# Altium PCB RTM_SFP.PcbDoc (part 5 of 7)
Units mm, origin at the board's own origin, x right, y up, seen from the top; angles counter-clockwise.
Board outline 182.5 x 148.5 mm, 4 copper layers (Top Layer, MidPlane_1, MidPlane_2, Bottom Layer), stack 0.883 mm thick; 377 components, 317 nets, 1528 pads, 1541 vias.
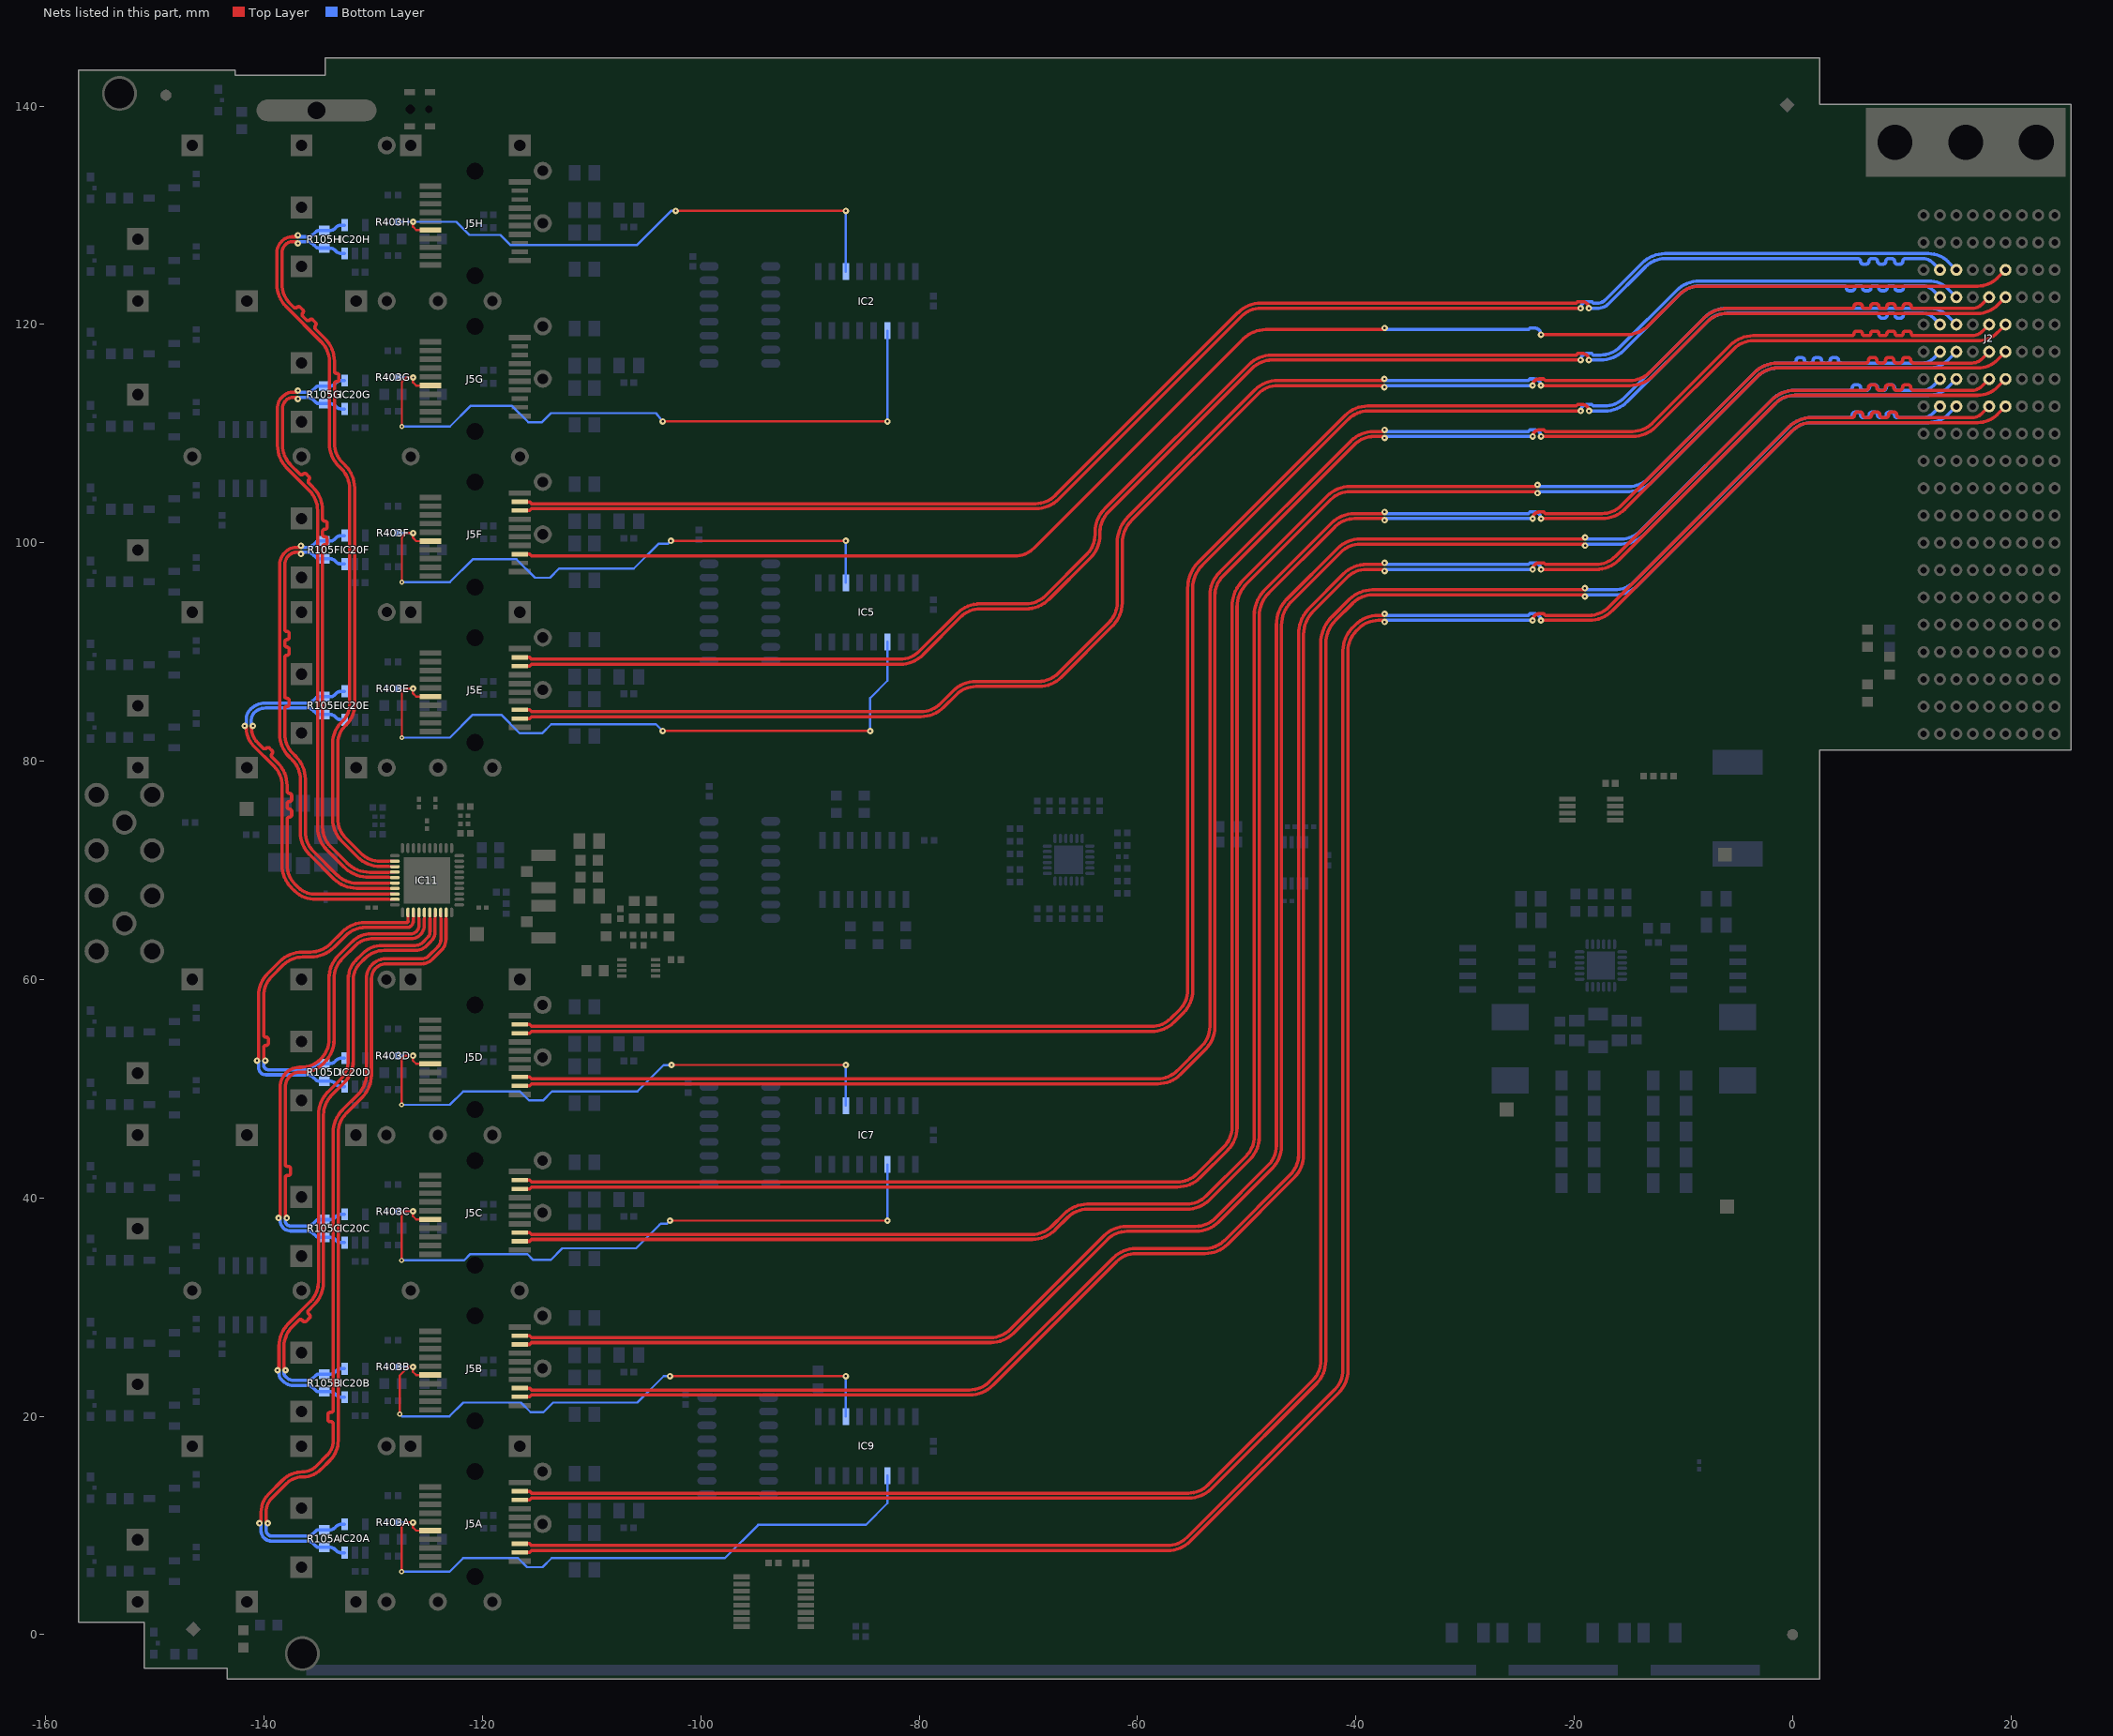
[diagram p7: the nets of this part, all layers, seen from the top]

## Via types
v1: diameter 0.6, hole 0.2, Top Layer to Bottom Layer, tented both sides, 1425 vias
v2: diameter 0.7, hole 0.3, Top Layer to Bottom Layer, tented both sides, 59 vias
v3: diameter 0.45, hole 0.2, Top Layer to Bottom Layer, tented both sides, 47 vias
v4: diameter 0.6, hole 0.2, Top Layer to Bottom Layer, 7 vias
v5: diameter 0.6, hole 0.3, Top Layer to Bottom Layer, tented both sides, 2 vias
v6: diameter 0.45, hole 0.2, Top Layer to Bottom Layer, 1 vias

## Nets (pads, with @x,y where several pads share a name; then routed paths per layer and width w, separated by ;. In a path a pad name is that pad's centre, name@x,y a point inside that pad or via, vN(x,y) a via of type N, cw(c..) or ccw(c..) an arc to the next point about the centre after c; other vN are vias at no path point) (continued)
SFP3RX_P: J2.C8 J5F.13 | length 147.1
  Top Layer w0.305: J5F.13@-116.575,98.956 -115.671,98.956 -115.499,98.785 -71.273,98.785 ccw(c-71.273,101.325) -69.477,99.529 -50.35,118.657 cw(c-48.248,116.555) -48.248,119.527 -37.518,119.527 v1(-37.37,119.675) ; v1(-23.048,119.07) -15.27,119.07 ccw(c-15.27,122.065) -13.153,119.947 -10.331,122.769 cw(c-8.535,120.973) -8.535,123.513 16.961,123.513 ccw(c16.961,126.053) 18.757,124.257 J2.C8@19.5,125
  Bottom Layer w0.305: v1(-37.37,119.675) -37.222,119.527 -24.206,119.527 -24.059,119.675 -23.653,119.675 cw(c-23.653,119.07) v1(-23.048,119.07)
SFP3TX_N: J2.F8 J5F.19 | length 141.7
  Top Layer w0.305: J5F.19@-116.575,103.756 -115.671,103.756 -115.499,103.585 -69.347,103.585 ccw(c-69.347,106.125) -67.551,104.329 -50.801,121.079 cw(c-48.705,118.982) -48.705,121.947 ; -48.881,121.947 -19.814,121.947 -19.666,122.095 -19.261,122.095 cw(c-19.261,121.49) v1(-18.656,121.49)
  Bottom Layer w0.305: v1@-18.508,121.49 -17.77,121.49 ccw(c-17.77,122.673) -16.934,121.836 ; -16.934,121.836 -13.484,125.286 cw(c-11.688,123.49) -11.688,126.03 5.97,126.03 cw(c5.97,125.775) 6.225,125.775 ccw(c6.465,125.775) 6.465,125.535 6.74,125.535 ccw(c6.74,125.775) 6.98,125.775 cw(c7.235,125.775) 7.23,126.03 7.525,126.03 cw(c7.525,125.775) 7.78,125.775 ccw(c8.02,125.775) 8.02,125.535 8.295,125.535 ccw(c8.295,125.775) 8.535,125.775 cw(c8.79,125.775) 8.79,126.03 9.08,126.03 cw(c9.08,125.775) 9.335,125.775 ccw(c9.575,125.775) 9.575,125.535 9.85,125.535 ccw(c9.85,125.775) 10.09,125.775 cw(c10.345,125.775) 10.34,126.03 11.939,126.03 cw(c11.939,124.748) 12.845,125.655 J2.F8@13.5,125
SFP3TX_P: J2.E8 J5F.18 | length 141.6
  Top Layer w0.305: J5F.18@-116.575,102.956 -115.671,102.956 -115.499,103.128 -69.347,103.128 ccw(c-69.347,106.125) -67.228,104.006 -50.487,120.746 cw(c-48.691,118.95) -48.691,121.49 v1(-19.416,121.49)
  Bottom Layer w0.305: v1(-19.416,121.49) cw(c-18.811,121.49) -18.811,122.095 -18.405,122.095 -18.258,121.947 -17.9,121.947 ccw(c-17.9,122.987) -17.165,122.251 ; -17.165,122.252 -13.807,125.61 cw(c-11.689,123.492) -11.689,126.487 12.461,126.487 cw(c12.461,123.947) 14.257,125.743 J2.E8@15,125
SFP4RX_N: J2.D7 J5E.12 | length 156.3
  Top Layer w0.305: J5E.12@-116.575,83.906 -115.671,83.906 -115.499,84.078 -79.856,84.078 ccw(c-79.856,87.071) -77.739,84.955 -76.597,86.096 cw(c-74.801,84.3) -74.801,86.84 -69.041,86.84 ccw(c-69.041,89.755) -66.98,87.694 -62.281,92.393 ccw(c-64.382,94.495) -61.41,94.495 -61.41,99.961 cw(c-58.413,99.961) -60.532,102.08 -48.949,113.664 cw(c-47.153,111.868) -47.153,114.408 -37.529,114.408 v1(-37.382,114.26) ; v1(-23.82,114.408) cw(c-23.215,114.408) -23.215,115.012 -22.809,115.012 -22.662,114.865 -14.904,114.865 ccw(c-14.904,117.405) -13.108,115.609 -8.128,120.588 cw(c-6,118.46) -6,121.47 5.425,121.47 ccw(c5.425,121.675) 5.63,121.675 cw(c5.845,121.675) 5.845,121.89 6.16,121.89 cw(c6.16,121.675) 6.375,121.675 ccw(c6.58,121.675) 6.58,121.47 ; 6.62,121.47 6.95,121.47 ccw(c6.95,121.675) 7.155,121.675 cw(c7.37,121.675) 7.37,121.89 7.685,121.89 cw(c7.685,121.675) 7.9,121.675 ccw(c8.105,121.675) 8.105,121.47 8.435,121.47 ccw(c8.435,121.675) 8.64,121.675 cw(c8.855,121.675) 8.855,121.89 9.17,121.89 cw(c9.17,121.675) 9.385,121.675 ccw(c9.59,121.675) 9.59,121.47 9.92,121.47 ccw(c9.92,121.675) 10.125,121.675 cw(c10.34,121.675) 10.34,121.89 10.655,121.89 cw(c10.655,121.675) 10.87,121.675 ccw(c11.075,121.675) 11.075,121.47 16.439,121.47 ccw(c16.439,122.752) 17.345,121.845 J2.D7@18,122.5
  Bottom Layer w0.305: v1(-37.382,114.26) -37.234,114.408 v1@-23.968,114.408
SFP4RX_P: J2.C7 J5E.13 | length 156.2
  Top Layer w0.305: J5E.13@-116.575,84.706 -115.671,84.706 -115.499,84.535 -79.857,84.535 ccw(c-79.857,87.075) -78.061,85.279 -76.91,86.43 cw(c-74.816,84.336) -74.816,87.297 -69.075,87.297 ccw(c-69.075,89.837) -67.279,88.041 -62.611,92.709 ccw(c-64.407,94.505) -61.867,94.505 -61.867,99.987 cw(c-58.475,99.987) -60.874,102.385 -49.269,113.99 cw(c-47.157,111.878) -47.157,114.865 -37.529,114.865 v1(-37.382,115.012) ; v1(-23.06,114.408) -14.899,114.408 ccw(c-14.899,117.418) -12.771,115.289 -7.791,120.269 cw(c-5.995,118.473) -5.995,121.013 16.961,121.013 ccw(c16.961,123.553) 18.757,121.757 J2.C7@19.5,122.5
  Bottom Layer w0.305: v1(-37.382,115.012) -37.234,114.865 -24.218,114.865 -24.071,115.012 -23.665,115.012 cw(c-23.665,114.408) v1(-23.06,114.408)
SFP4TX_N: J2.F7 J5E.19 | length 147.7
  Top Layer w0.305: J5E.19@-116.575,89.506 -115.671,89.506 -115.499,89.335 -81.774,89.335 ccw(c-81.774,91.875) -79.978,90.079 -76.515,93.542 cw(c-74.419,91.447) -74.419,94.41 -70.239,94.41 ccw(c-70.239,96.95) -68.443,95.154 -64.643,98.953 ccw(c-66.439,100.749) -63.899,100.749 -63.899,100.994 cw(c-60.906,100.994) -63.023,103.11 -49.809,116.324 cw(c-47.693,114.208) -47.693,117.2 -19.811,117.2 -19.666,117.345 -19.26,117.345 cw(c-19.26,116.74) v1(-18.655,116.74)
  Bottom Layer w0.305: v1@-18.508,116.74 -17.6,116.74 ccw(c-17.6,119.735) -15.483,117.617 -10.314,122.786 cw(c-8.518,120.99) -8.518,123.53 4.73,123.53 cw(c4.73,123.325) 4.935,123.325 ccw(c5.17,123.325) 5.17,123.09 5.445,123.09 ccw(c5.445,123.325) 5.68,123.325 cw(c5.885,123.325) 5.885,123.53 6.215,123.53 cw(c6.215,123.325) 6.42,123.325 ccw(c6.655,123.325) 6.655,123.09 6.93,123.09 ccw(c6.93,123.325) 7.165,123.325 cw(c7.37,123.325) 7.37,123.53 7.7,123.53 cw(c7.7,123.325) 7.905,123.325 ccw(c8.14,123.325) 8.14,123.09 8.415,123.09 ccw(c8.415,123.325) 8.65,123.325 cw(c8.855,123.325) 8.855,123.53 9.185,123.53 cw(c9.185,123.325) 9.39,123.325 ccw(c9.625,123.325) 9.625,123.09 9.9,123.09 ccw(c9.9,123.325) 10.135,123.325 cw(c10.34,123.325) 10.34,123.53 11.939,123.53 cw(c11.939,122.248) 12.845,123.155 J2.F7@13.5,122.5
SFP4TX_P: J2.E7 J5E.18 | length 147.6
  Top Layer w0.305: J5E.18@-116.575,88.706 -115.671,88.706 -115.499,88.878 -81.76,88.878 ccw(c-81.76,91.841) -79.664,89.746 -76.201,93.209 cw(c-74.405,91.413) -74.405,93.953 -70.238,93.953 ccw(c-70.238,96.949) -68.12,94.83 -64.316,98.634 ccw(c-66.425,100.743) -63.442,100.743 -63.442,100.992 cw(c-60.902,100.992) -62.698,102.788 -49.487,115.999 cw(c-47.691,114.203) -47.691,116.743 v1@-19.415,116.743
  Bottom Layer w0.305: v1(-19.415,116.74) cw(c-18.81,116.74) -18.81,117.345 -18.405,117.345 -18.257,117.197 -17.601,117.197 ccw(c-17.601,119.737) -15.805,117.941 -10.634,123.113 cw(c-8.523,121.002) -8.528,123.987 ; -8.707,123.987 -8.528,123.987 ; -8.523,123.987 ccw(c-8.523,121.002) -8.528,123.987 ; J2.E7@15,122.5 14.257,123.243 ccw(c12.461,121.447) 12.461,123.987 -8.528,123.987
SFP5RX_N: J2.D6 J5D.12 | length 189.2
  Top Layer w0.305: J5D.12@-116.59,50.276 -115.681,50.276 -115.509,50.448 -58.147,50.448 ccw(c-58.147,53.396) -56.062,51.311 -53.768,53.605 ccw(c-55.814,55.651) -52.921,55.651 -52.921,95.167 cw(c-50.381,95.167) -52.177,96.963 -40.14,108.999 cw(c-38.344,107.203) -38.344,109.743 -37.518,109.743 v1(-37.37,109.596) ; v1(-23.808,109.743) cw(c-23.203,109.743) -23.203,110.348 -22.798,110.348 -22.65,110.2 -14.662,110.2 ccw(c-14.662,112.74) -12.866,110.944 -5.718,118.092 cw(c-3.599,115.974) -3.599,118.97 5.425,118.97 ccw(c5.425,119.175) 5.63,119.175 cw(c5.845,119.175) 5.845,119.39 6.16,119.39 cw(c6.16,119.175) 6.375,119.175 ccw(c6.58,119.175) 6.58,118.97 ; 6.62,118.97 6.95,118.97 ccw(c6.95,119.175) 7.155,119.175 cw(c7.37,119.175) 7.37,119.39 7.685,119.39 cw(c7.685,119.175) 7.9,119.175 ccw(c8.105,119.175) 8.105,118.97 8.435,118.97 ccw(c8.435,119.175) 8.64,119.175 cw(c8.855,119.175) 8.855,119.39 9.17,119.39 cw(c9.17,119.175) 9.385,119.175 ccw(c9.59,119.175) 9.59,118.97 9.92,118.97 ccw(c9.92,119.175) 10.125,119.175 cw(c10.34,119.175) 10.34,119.39 10.655,119.39 cw(c10.655,119.175) 10.87,119.175 ccw(c11.075,119.175) 11.075,118.97 16.439,118.97 ccw(c16.439,120.252) 17.345,119.345 J2.D6@18,120
  Bottom Layer w0.305: v1(-37.37,109.596) -37.222,109.743 v1@-23.956,109.743
SFP5RX_P: J2.C6 J5D.13 | length 189.1
  Top Layer w0.305: J5D.13@-116.59,51.076 -115.681,51.076 -115.509,50.905 -58.167,50.905 ccw(c-58.167,53.445) -56.371,51.649 -54.122,53.898 ccw(c-55.918,55.694) -53.378,55.694 -53.378,95.179 cw(c-50.411,95.179) -52.51,97.276 ; -52.509,97.277 -52.5,97.286 -40.457,109.33 cw(c-38.355,107.228) -38.355,110.2 -37.518,110.2 v1(-37.37,110.348) ; v1(-23.048,109.743) -14.647,109.743 ccw(c-14.647,112.705) -12.553,110.611 -5.395,117.769 cw(c-3.599,115.973) -3.599,118.513 16.961,118.513 ccw(c16.961,121.053) 18.757,119.257 J2.C6@19.5,120
  Bottom Layer w0.305: v1(-37.37,110.348) -37.222,110.2 -24.206,110.2 -24.059,110.348 -23.653,110.348 cw(c-23.653,109.743) v1(-23.048,109.743)
SFP5TX_N: J2.F6 J5D.19 | length 181.3
  Top Layer w0.305: J5D.19@-116.59,55.876 -115.681,55.876 -115.509,55.705 -58.737,55.705 ccw(c-58.737,58.245) -56.941,56.449 -56.154,57.236 ccw(c-57.95,59.032) -55.41,59.032 -55.41,95.835 cw(c-51.995,95.835) -54.41,98.25 -40.997,111.663 cw(c-38.904,109.57) -38.904,112.53 -19.811,112.53 -19.663,112.678 -19.257,112.678 cw(c-19.257,112.073) v1(-18.652,112.073)
  Bottom Layer w0.305: v1@-18.505,112.073 -17.236,112.073 ccw(c-17.236,115.064) -15.121,112.949 -7.784,120.286 cw(c-5.988,118.49) -5.988,121.03 7.7,121.03 cw(c7.7,120.825) 7.905,120.825 ccw(c8.14,120.825) 8.14,120.59 8.415,120.59 ccw(c8.415,120.825) 8.65,120.825 cw(c8.855,120.825) 8.855,121.03 9.185,121.03 cw(c9.185,120.825) 9.39,120.825 ccw(c9.625,120.825) 9.625,120.59 9.9,120.59 ccw(c9.9,120.825) 10.135,120.825 cw(c10.34,120.825) 10.34,121.03 11.939,121.03 cw(c11.939,119.748) 12.845,120.655 J2.F6@13.5,120
SFP5TX_P: J2.E6 J5D.18 | length 182.1
  Top Layer w0.305: J5D.18@-116.59,55.076 -115.681,55.076 -115.509,55.248 -58.736,55.248 ccw(c-58.736,58.243) -56.619,56.125 -55.824,56.92 ccw(c-57.927,59.022) -54.953,59.022 -54.953,95.819 cw(c-51.956,95.819) -54.075,97.938 -40.685,111.329 cw(c-38.889,109.533) -38.889,112.073 v1(-19.412,112.073)
  Bottom Layer w0.305: v1(-19.412,112.073) cw(c-18.808,112.073) -18.808,112.678 -18.402,112.678 -18.254,112.53 -17.239,112.53 ccw(c-17.239,115.07) -15.443,113.274 -8.102,120.615 cw(c-5.996,118.51) -5.996,121.487 12.461,121.487 cw(c12.461,118.947) 14.257,120.743 J2.E6@15,120
SFP6RX_N: J2.D5 J5C.12 | length 198.6
  Top Layer w0.305: J5C.12@-116.59,36.026 -115.681,36.026 -115.509,36.198 -69.641,36.198 ccw(c-69.641,39.155) -67.55,37.064 -66.393,38.22 cw(c-64.597,36.424) -64.597,38.964 -55.502,38.964 ccw(c-55.502,41.916) -53.415,39.829 -49.712,43.532 ccw(c-51.775,45.595) -48.857,45.595 -48.857,93.294 cw(c-45.86,93.294) -47.979,95.413 -41.916,101.476 cw(c-40.12,99.68) -40.12,102.22 -37.518,102.22 v1(-37.37,102.072) ; v1(-23.808,102.22) cw(c-23.203,102.22) -23.203,102.825 -22.798,102.825 -22.65,102.677 -17.471,102.677 ccw(c-17.471,105.217) -15.675,103.421 -3.495,115.602 cw(c-1.399,113.507) -1.399,116.47 6.705,116.47 ccw(c6.7,116.725) 6.955,116.725 cw(c7.205,116.725) 7.205,116.975 7.46,116.975 cw(c7.46,116.725) 7.71,116.725 ccw(c7.965,116.725) 7.965,116.47 8.26,116.47 ccw(c8.255,116.725) 8.51,116.725 cw(c8.76,116.725) 8.76,116.975 9.015,116.975 cw(c9.015,116.725) 9.265,116.725 ccw(c9.52,116.725) 9.52,116.47 9.815,116.47 ccw(c9.81,116.725) 10.065,116.725 cw(c10.315,116.725) 10.315,116.975 10.57,116.975 cw(c10.57,116.725) 10.82,116.725 ccw(c11.075,116.725) 11.075,116.47 16.439,116.47 ccw(c16.439,117.752) 17.345,116.845 J2.D5@18,117.5
  Bottom Layer w0.305: v1(-37.37,102.072) -37.222,102.22 v1@-23.956,102.22
SFP6RX_P: J2.C5 J5C.13 | length 198.7
  Top Layer w0.305: J5C.13@-116.59,36.826 -115.681,36.826 -115.509,36.655 -69.657,36.655 ccw(c-69.657,39.195) -67.861,37.399 -66.714,38.546 cw(c-64.601,36.434) -64.601,39.421 -55.521,39.421 ccw(c-55.521,41.961) -53.725,40.165 -50.058,43.832 ccw(c-51.854,45.628) -49.314,45.628 -49.314,93.336 cw(c-45.961,93.336) -48.332,95.707 -42.228,101.811 cw(c-40.137,99.721) -40.137,102.677 -37.518,102.677 v1(-37.37,102.825) ; v1(-23.048,102.22) -17.451,102.22 ccw(c-17.451,105.169) -15.366,103.084 -3.181,115.269 cw(c-1.385,113.473) -1.385,116.013 16.961,116.013 ccw(c16.961,118.553) 18.757,116.757 J2.C5@19.5,117.5
  Bottom Layer w0.305: v1(-37.37,102.825) -37.222,102.677 -24.206,102.677 -24.059,102.825 -23.653,102.825 cw(c-23.653,102.22) v1(-23.048,102.22)
SFP6TX_N: J2.F5 J5C.19 | length 192
  Top Layer w0.305: J5C.19@-116.59,41.626 -115.681,41.626 -115.509,41.455 -56.367,41.455 ccw(c-56.367,43.995) -54.571,42.199 -52.09,44.68 ccw(c-53.886,46.476) -51.346,46.476 -51.346,94.158 cw(c-47.945,94.158) -50.35,96.563 -42.623,104.29 cw(c-40.522,102.188) -40.522,105.16 -23.518,105.16 v1(-23.37,105.308)
  Bottom Layer w0.305: v1(-23.37,105.308) -23.222,105.16 -14.989,105.16 ccw(c-14.989,107.7) -13.193,105.904 -3.502,115.595 cw(c-1.389,113.483) -1.389,116.47 0.079,116.47 ccw(c0.079,116.72) 0.329,116.72 ; 0.329,116.725 cw(c0.559,116.725) 0.559,116.955 0.854,116.955 cw(c0.854,116.725) 1.084,116.725 ccw(c1.339,116.725) 1.339,116.47 1.629,116.47 ccw(c1.629,116.725) 1.884,116.725 cw(c2.114,116.725) 2.114,116.955 2.409,116.955 cw(c2.409,116.725) 2.639,116.725 ccw(c2.894,116.725) 2.894,116.47 3.189,116.47 ccw(c3.189,116.725) 3.444,116.725 cw(c3.674,116.725) 3.674,116.955 3.969,116.955 cw(c3.969,116.725) 4.199,116.725 ccw(c4.454,116.725) 4.449,116.47 11.939,116.47 ccw(c11.939,117.752) 12.845,116.845 J2.F5@13.5,117.5
SFP6TX_P: J2.E5 J5C.18 | length 192
  Top Layer w0.305: J5C.18@-116.59,40.826 -115.681,40.826 -115.509,40.998 -56.347,40.998 ccw(c-56.347,43.946) -54.262,41.861 -51.74,44.384 ccw(c-53.794,46.438) -50.889,46.438 -50.889,94.136 cw(c-47.892,94.136) -50.011,96.255 -42.307,103.959 cw(c-40.511,102.163) -40.511,104.703 -23.518,104.703 v1(-23.37,104.555)
  Bottom Layer w0.305: v1(-23.37,104.555) -23.222,104.703 -14.982,104.703 ccw(c-14.982,107.684) -12.874,105.576 -3.181,115.269 cw(c-1.385,113.473) -1.385,116.013 12.461,116.013 ccw(c12.461,118.553) 14.257,116.757 J2.E5@15,117.5
SFP7RX_N: J2.D4 J5B.12 | length 203.5
  Top Layer w0.305: J5B.12@-116.59,21.776 -115.681,21.776 -115.509,21.948 -75.371,21.948 ccw(c-75.371,24.913) -73.273,22.816 -61.934,34.156 cw(c-60.138,32.36) -60.138,34.9 -53.831,34.9 ccw(c-53.831,37.881) -51.723,35.773 -45.665,41.831 ccw(c-47.772,43.937) -44.793,43.937 -44.793,91.611 cw(c-41.796,91.611) -43.915,93.73 -40.826,96.819 cw(c-39.03,95.023) -39.03,97.563 -37.518,97.563 v1(-37.37,97.415) ; v1(-23.808,97.563) cw(c-23.203,97.563) -23.203,98.168 -22.798,98.168 -22.65,98.02 -18.022,98.02 ccw(c-18.022,100.56) -16.226,98.764 -1.893,113.097 cw(c0.214,110.991) 0.214,113.97 6.75,113.97 ; 6.705,113.97 ccw(c6.7,114.225) 6.955,114.225 cw(c7.205,114.225) 7.205,114.475 7.46,114.475 cw(c7.46,114.225) 7.71,114.225 ccw(c7.965,114.225) 7.965,113.97 8.26,113.97 ccw(c8.255,114.225) 8.51,114.225 cw(c8.76,114.225) 8.76,114.475 9.015,114.475 cw(c9.015,114.225) 9.265,114.225 ccw(c9.52,114.225) 9.52,113.97 9.815,113.97 ccw(c9.81,114.225) 10.065,114.225 cw(c10.315,114.225) 10.315,114.475 10.57,114.475 cw(c10.57,114.225) 10.82,114.225 ccw(c11.075,114.225) 11.075,113.97 16.439,113.97 ccw(c16.439,115.252) 17.345,114.345 J2.D4@18,115
  Bottom Layer w0.305: v1(-37.37,97.415) -37.222,97.563 v1@-23.956,97.563
SFP7RX_P: J2.C4 J5B.13 | length 203.5
  Top Layer w0.305: J5B.13@-116.59,22.576 -115.681,22.576 -115.509,22.405 -75.384,22.405 ccw(c-75.384,24.945) -73.588,23.149 -62.255,34.481 cw(c-60.14,32.367) -60.14,35.357 -53.838,35.357 ccw(c-53.838,37.897) -52.041,36.101 -45.994,42.149 ccw(c-47.79,43.945) -45.25,43.945 -45.25,91.624 cw(c-41.827,91.624) -44.247,94.044 -41.146,97.145 cw(c-39.034,95.033) -39.034,98.02 -37.518,98.02 v1(-37.37,98.168) ; v1(-23.048,97.563) -18.017,97.563 ccw(c-18.017,100.548) -15.906,98.437 -1.575,112.769 cw(c0.221,110.973) 0.221,113.513 16.961,113.513 ccw(c16.961,116.053) 18.757,114.257 J2.C4@19.5,115
  Bottom Layer w0.305: v1(-37.37,98.168) -37.222,98.02 -24.206,98.02 -24.059,98.168 -23.653,98.168 cw(c-23.653,97.563) v1(-23.048,97.563)
SFP7TX_N: J2.F4 J5B.19 | length 196.7
  Top Layer w0.305: J5B.19@-116.59,27.376 -115.681,27.376 -115.509,27.205 -73.457,27.205 ccw(c-73.457,29.745) -71.661,27.949 -63.067,36.543 cw(c-61.023,34.499) -61.023,37.389 -54.679,37.389 ccw(c-54.679,39.929) -52.883,38.133 -48.026,42.99 ccw(c-49.822,44.786) -47.282,44.786 -47.282,92.56 ; -47.276,92.56 cw(c-44.068,92.56) -46.336,94.829 -41.676,99.49 cw(c-39.598,97.412) -39.598,100.35 -19.158,100.35 v1(-19.01,100.498)
  Bottom Layer w0.305: v1(-19.01,100.498) -18.862,100.35 -15.702,100.35 ccw(c-15.702,102.89) -13.906,101.094 -1.904,113.096 cw(c0.206,110.986) 0.206,113.97 5.209,113.97 ccw(c5.209,114.225) 5.464,114.225 cw(c5.704,114.225) 5.704,114.465 5.979,114.465 cw(c5.979,114.225) 6.219,114.225 ccw(c6.474,114.225) 6.474,113.97 6.764,113.97 ccw(c6.764,114.225) 7.019,114.225 cw(c7.259,114.225) 7.259,114.465 7.534,114.465 cw(c7.534,114.225) 7.774,114.225 ccw(c8.029,114.225) 8.029,113.97 8.319,113.97 ccw(c8.319,114.225) 8.574,114.225 cw(c8.814,114.225) 8.814,114.465 9.089,114.465 cw(c9.089,114.225) 9.329,114.225 ccw(c9.584,114.225) 9.579,113.97 11.939,113.97 ccw(c11.939,115.252) 12.845,114.345 J2.F4@13.5,115
SFP7TX_P: J2.E4 J5B.18 | length 196.7
  Top Layer w0.305: J5B.18@-116.59,26.576 -115.681,26.576 -115.509,26.748 -73.437,26.748 ccw(c-73.437,29.696) -71.352,27.611 -62.775,36.188 cw(c-60.979,34.392) -60.979,36.932 -54.654,36.932 ccw(c-54.654,39.869) -52.578,37.792 -47.67,42.7 ccw(c-49.709,44.74) -46.825,44.74 -46.825,92.457 ; -46.82,92.457 cw(c-43.823,92.457) -45.942,94.576 -41.37,99.149 cw(c-39.574,97.353) -39.574,99.893 -19.158,99.893 v1(-19.01,99.745) v1@-19.01,99.803